# Altium PCB FMC_HPC_TO_LPC_BREAKOUT.PcbDoc (part 2 of 3)
Units mm, origin at the board's own origin, x right, y up, seen from the top; angles counter-clockwise.
Board outline 78.8 x 69 mm, 6 copper layers (Component Side L1, Layer 2, Layer 3, Layer 4, Layer 5, Bottom Layer L6), stack 1.527 mm thick; 19 components, 400 nets, 980 pads, 723 vias.
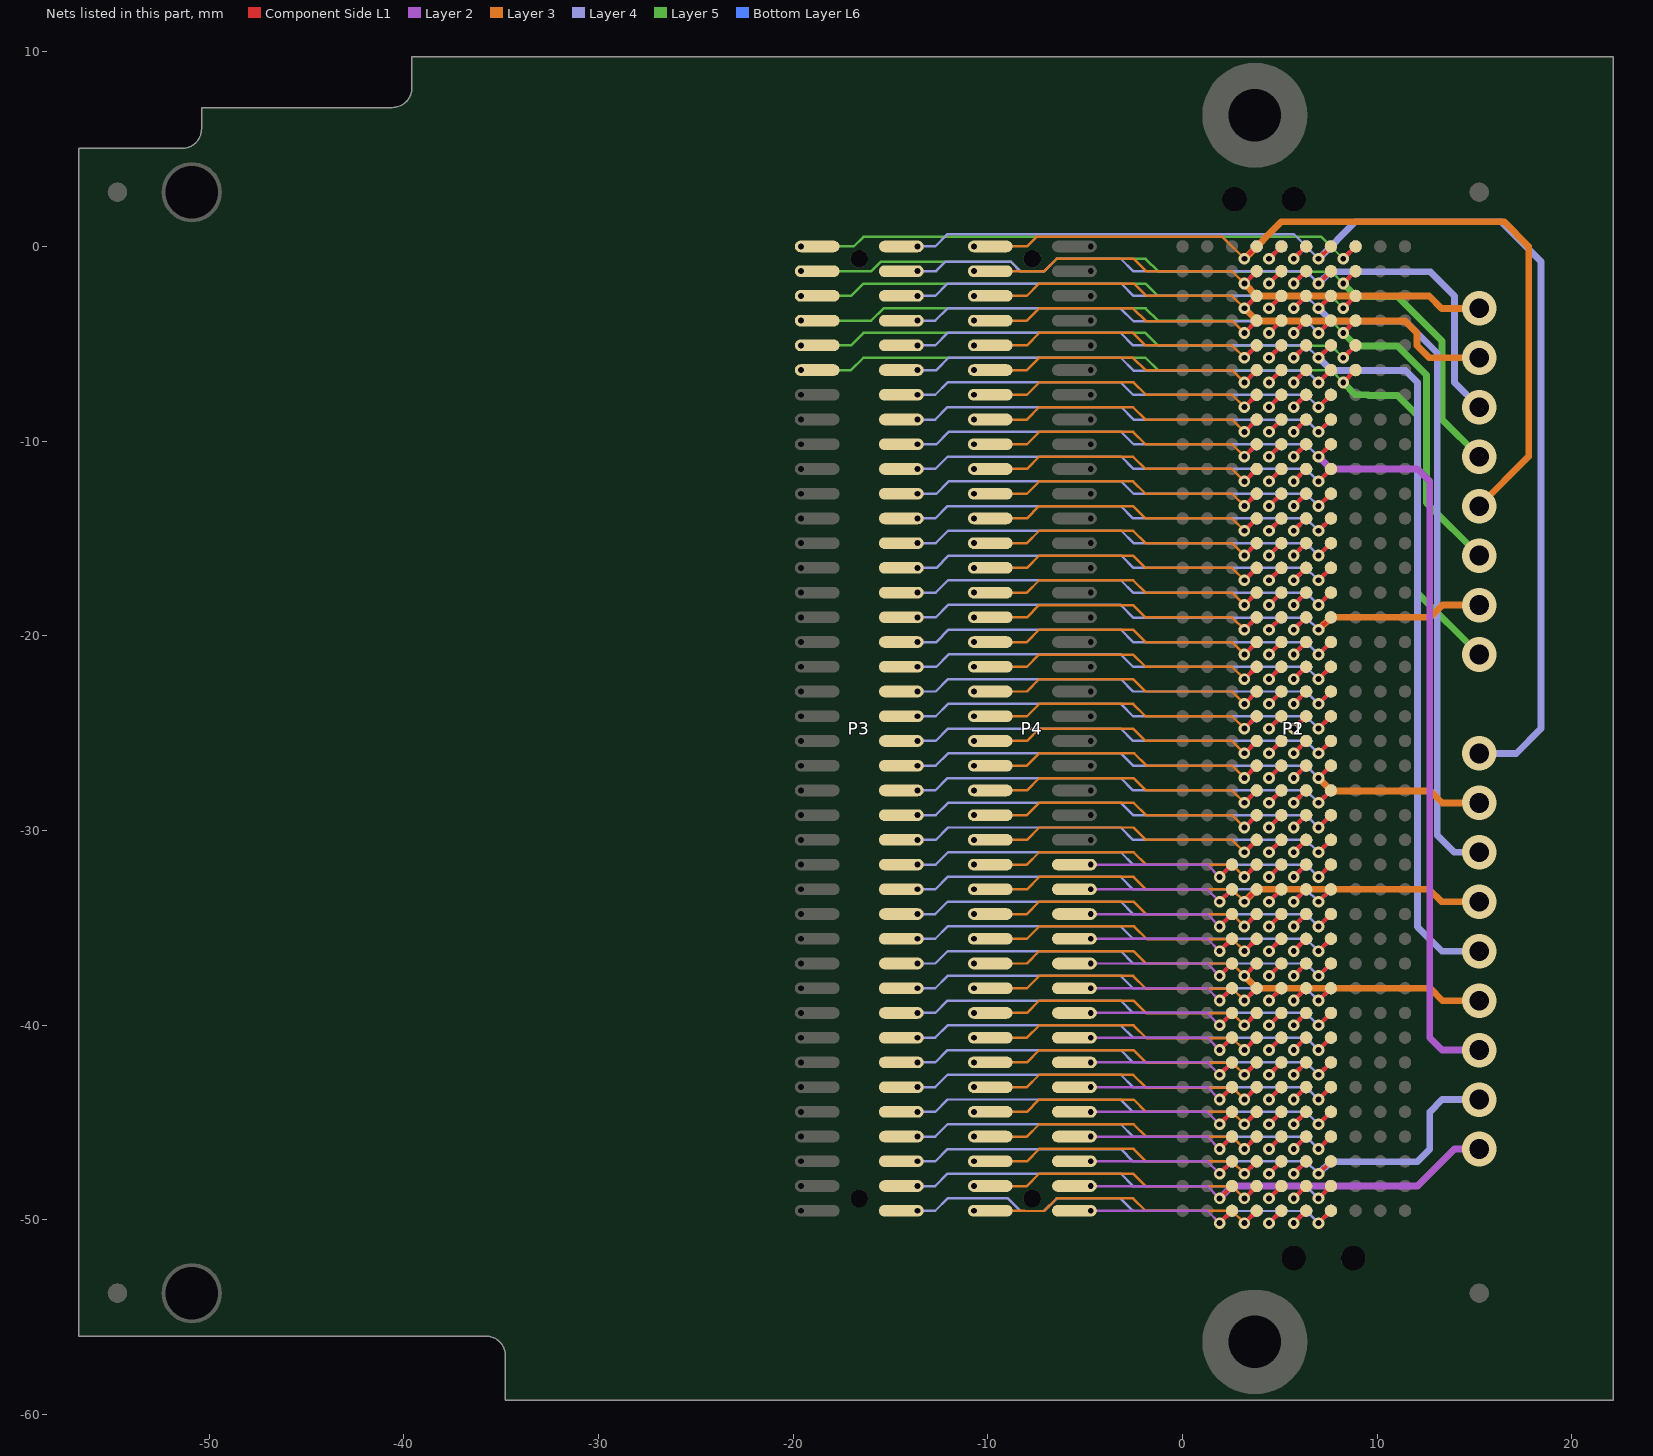
[diagram p6: the nets of this part, all layers, seen from the top]

## Via types
v1: diameter 0.6, hole 0.3, Component Side L1 to Bottom Layer L6, tented both sides, 400 vias
v2: diameter 1.778, hole 1.016, Component Side L1 to Bottom Layer L6, 323 vias

## Nets (pads, with @x,y where several pads share a name; then routed paths per layer and width w, separated by ;. In a path a pad name is that pad's centre, name@x,y a point inside that pad or via, vN(x,y) a via of type N, cw(c..) or ccw(c..) an arc to the next point about the centre after c; other vN are vias at no path point) (continued)
C35: P1.C35 P2.C35 P3.69 | length 48.6
  Component Side L1 w0.215: v1(8.255,-6.985) P1.C35@8.89,-6.35
  Layer 5 w0.127: P3.69@-19.605,-6.35 -17.03,-6.35 -16.395,-5.715 -1.905,-5.715 -1.27,-6.35 7.62,-6.35 v1(8.255,-6.985)
  Layer 5 w0.35: v1(8.255,-6.985) 8.89,-7.62 9.525,-7.62 9.558,-7.653 11.044,-7.653 12.052,-8.66 12.052,-17.772 v2(15.24,-20.96)
  Bottom Layer L6 w0.215: v1(8.255,-6.985) P2.C35@8.89,-6.35
C36: P1.C36 P2.C36 P3.71 | length 30.4
  Component Side L1 w0.215: v1(8.255,-5.715) P1.C36@8.89,-5.08
  Layer 5 w0.127: P3.71@-19.605,-5.08 -17.03,-5.08 -16.395,-4.445 -1.905,-4.445 -1.243,-5.107 7.647,-5.107 v1(8.255,-5.715)
  Bottom Layer L6 w0.215: v1(8.255,-5.715) P2.C36@8.89,-5.08
C37: P1.C37 P2.C37 P3.73 | length 46
  Component Side L1 w0.215: v1(8.255,-4.445) P1.C37@8.89,-3.81
  Layer 5 w0.127: P3.73@-19.605,-3.81 -15.987,-3.81 -15.357,-3.18 -1.9,-3.18 -1.27,-3.81 7.62,-3.81 v1(8.255,-4.445)
  Layer 5 w0.35: v1(8.255,-4.445) 8.923,-5.113 11.044,-5.113 12.529,-6.597 12.529,-13.169 v2(15.24,-15.88)
  Bottom Layer L6 w0.215: v1(8.255,-4.445) P2.C37@8.89,-3.81
C38: P1.C38 P2.C38 P3.75 | length 30.4
  Component Side L1 w0.215: v1(8.255,-3.175) P1.C38@8.89,-2.54
  Layer 5 w0.127: P3.75@-19.605,-2.54 -17.03,-2.54 -16.395,-1.905 -1.905,-1.905 -1.27,-2.54 7.62,-2.54 v1(8.255,-3.175)
  Bottom Layer L6 w0.215: v1(8.255,-3.175) P2.C38@8.89,-2.54
C39: P1.C39 P2.C39 P3.77 | length 43.9
  Component Side L1 w0.215: v1(8.255,-1.905) P1.C39@8.89,-1.27
  Layer 5 w0.127: P3.77@-19.605,-1.27 -16.886,-1.27 -16.873,-1.283 -16,-1.283 -15.496,-0.779 -8.824,-0.779 -8.32,-1.283 -7.11,-1.283 -6.467,-0.64 -1.9,-0.64 -1.243,-1.297 7.647,-1.297 v1(8.255,-1.905)
  Layer 5 w0.35: v1(8.255,-1.905) 8.923,-2.573 11.044,-2.573 13.335,-4.864 13.335,-8.895 v2(15.24,-10.8)
  Bottom Layer L6 w0.215: v1(8.255,-1.905) P2.C39@8.89,-1.27
C40: P1.C40 P2.C40 P3.79 | length 30.3
  Component Side L1 w0.215: v1(8.255,-0.635) P1.C40@8.89,0
  Layer 5 w0.127: P3.79@-19.605,0 -16.886,0 -16.395,0.491 7.129,0.491 v1(8.255,-0.635)
  Bottom Layer L6 w0.215: v1(8.255,-0.635) P2.C40@8.89,0
D1: P1.D1 P2.D1 P3.2 | length 23.7
  Component Side L1 w0.215: v1(6.985,-50.165) P1.D1@7.62,-49.53
  Layer 4 w0.127: P3.2@-13.605,-49.53 -12.7,-49.53 -12.065,-48.895 -8.968,-48.895 -8.32,-49.543 -7.11,-49.543 -6.462,-48.895 -3.188,-48.895 -2.54,-49.543 6.363,-49.543 v1(6.985,-50.165)
  Bottom Layer L6 w0.215: v1(6.985,-50.165) P2.D1@7.62,-49.53
D2: P1.D2 P2.D2 P3.4 | length 23.2
  Component Side L1 w0.215: v1(6.985,-48.895) P1.D2@7.62,-48.26
  Layer 4 w0.127: P3.4@-13.605,-48.26 -12.7,-48.26 -12.065,-47.625 -3.175,-47.625 -2.54,-48.26 6.35,-48.26 v1(6.985,-48.895)
  Bottom Layer L6 w0.215: v1(6.985,-48.895) P2.D2@7.62,-48.26
D3: P1.D3 P2.D3 P3.6 | length 34.1
  Component Side L1 w0.215: v1(6.985,-47.625) P1.D3@7.62,-46.99
  Layer 4 w0.127: P3.6@-13.605,-46.99 -12.7,-46.99 -12.07,-46.36 -3.17,-46.36 -2.54,-46.99 6.35,-46.99 v1(6.985,-47.625)
  Layer 4 w0.35: v1(6.985,-47.625) 7.593,-47.017 12.038,-47.017 12.7,-46.355 12.7,-44.455 13.335,-43.82 v2(15.24,-43.82)
  Bottom Layer L6 w0.215: v1(6.985,-47.625) P2.D3@7.62,-46.99
D4: P1.D4 P2.D4 P3.8 | length 23.2
  Component Side L1 w0.215: v1(6.985,-46.355) P1.D4@7.62,-45.72
  Layer 4 w0.127: P3.8@-13.605,-45.72 -12.7,-45.72 -12.065,-45.085 -3.175,-45.085 -2.54,-45.72 6.35,-45.72 v1(6.985,-46.355)
  Bottom Layer L6 w0.215: v1(6.985,-46.355) P2.D4@7.62,-45.72
D5: P1.D5 P2.D5 P3.10 | length 23.2
  Component Side L1 w0.215: v1(6.985,-45.085) P1.D5@7.62,-44.45
  Layer 4 w0.127: P3.10@-13.605,-44.45 -12.7,-44.45 -12.065,-43.815 -3.18,-43.815 -2.54,-44.455 6.355,-44.455 v1(6.985,-45.085)
  Bottom Layer L6 w0.215: v1(6.985,-45.085) P2.D5@7.62,-44.45
D6: P1.D6 P2.D6 P3.12 | length 23.2
  Component Side L1 w0.215: v1(6.985,-43.815) P1.D6@7.62,-43.18
  Layer 4 w0.127: P3.12@-13.605,-43.18 -12.7,-43.18 -12.065,-42.545 -3.175,-42.545 -2.54,-43.18 6.35,-43.18 v1(6.985,-43.815)
  Bottom Layer L6 w0.215: v1(6.985,-43.815) P2.D6@7.62,-43.18
D7: P1.D7 P2.D7 P3.14 | length 23.2
  Component Side L1 w0.215: v1(6.985,-42.545) P1.D7@7.62,-41.91
  Layer 4 w0.127: P3.14@-13.605,-41.91 -12.7,-41.91 -12.065,-41.275 -3.175,-41.275 -2.54,-41.91 6.35,-41.91 v1(6.985,-42.545)
  Bottom Layer L6 w0.215: v1(6.985,-42.545) P2.D7@7.62,-41.91
D8: P1.D8 P2.D8 P3.16 | length 23.2
  Component Side L1 w0.215: v1(6.985,-41.275) P1.D8@7.62,-40.64
  Layer 4 w0.127: P3.16@-13.605,-40.64 -12.7,-40.64 -12.065,-40.005 -3.175,-40.005 -2.54,-40.64 6.35,-40.64 v1(6.985,-41.275)
  Bottom Layer L6 w0.215: v1(6.985,-41.275) P2.D8@7.62,-40.64
D9: P1.D9 P2.D9 P3.18 | length 23.2
  Component Side L1 w0.215: v1(6.985,-40.005) P1.D9@7.62,-39.37
  Layer 4 w0.127: P3.18@-13.605,-39.37 -12.7,-39.37 -12.065,-38.735 -3.175,-38.735 -2.54,-39.37 6.35,-39.37 v1(6.985,-40.005)
  Bottom Layer L6 w0.215: v1(6.985,-40.005) P2.D9@7.62,-39.37
D10: P1.D10 P2.D10 P3.20 | length 23.2
  Component Side L1 w0.215: v1(6.985,-38.735) P1.D10@7.62,-38.1
  Layer 4 w0.127: P3.20@-13.605,-38.1 -12.7,-38.1 -12.065,-37.465 -3.175,-37.465 -2.54,-38.1 6.35,-38.1 v1(6.985,-38.735)
  Bottom Layer L6 w0.215: v1(6.985,-38.735) P2.D10@7.62,-38.1
D11: P1.D11 P2.D11 P3.22 | length 23.2
  Component Side L1 w0.215: v1(6.985,-37.465) P1.D11@7.62,-36.83
  Layer 4 w0.127: P3.22@-13.605,-36.83 -12.7,-36.83 -12.07,-36.2 -3.17,-36.2 -2.54,-36.83 6.35,-36.83 v1(6.985,-37.465)
  Bottom Layer L6 w0.215: v1(6.985,-37.465) P2.D11@7.62,-36.83
D12: P1.D12 P2.D12 P3.24 | length 23.2
  Component Side L1 w0.215: v1(6.985,-36.195) P1.D12@7.62,-35.56
  Layer 4 w0.127: P3.24@-13.605,-35.56 -12.7,-35.56 -12.065,-34.925 -3.175,-34.925 -2.54,-35.56 6.35,-35.56 v1(6.985,-36.195)
  Bottom Layer L6 w0.215: v1(6.985,-36.195) P2.D12@7.62,-35.56
D13: P1.D13 P2.D13 P3.26 | length 23.2
  Component Side L1 w0.215: v1(6.985,-34.925) P1.D13@7.62,-34.29
  Layer 4 w0.127: P3.26@-13.605,-34.29 -12.7,-34.29 -12.07,-33.66 -3.17,-33.66 -2.54,-34.29 6.35,-34.29 v1(6.985,-34.925)
  Bottom Layer L6 w0.215: v1(6.985,-34.925) P2.D13@7.62,-34.29
D14: P1.D14 P2.D14 P3.28 | length 23.2
  Component Side L1 w0.215: v1(6.985,-33.655) P1.D14@7.62,-33.02
  Layer 4 w0.127: P3.28@-13.605,-33.02 -12.7,-33.02 -12.065,-32.385 -3.175,-32.385 -2.54,-33.02 6.35,-33.02 v1(6.985,-33.655)
  Bottom Layer L6 w0.215: v1(6.985,-33.655) P2.D14@7.62,-33.02
D15: P1.D15 P2.D15 P3.30 | length 23.2
  Component Side L1 w0.215: v1(6.985,-32.385) P1.D15@7.62,-31.75
  Layer 4 w0.127: P3.30@-13.605,-31.75 -12.673,-31.75 -12.038,-31.115 -3.175,-31.115 -2.54,-31.75 6.35,-31.75 v1(6.985,-32.385)
  Bottom Layer L6 w0.215: v1(6.985,-32.385) P2.D15@7.62,-31.75
D16: P1.D16 P2.D16 P3.32 | length 23.2
  Component Side L1 w0.215: v1(6.985,-31.115) P1.D16@7.62,-30.48
  Layer 4 w0.127: P3.32@-13.605,-30.48 -12.673,-30.48 -12.038,-29.845 -3.175,-29.845 -2.54,-30.48 6.35,-30.48 v1(6.985,-31.115)
  Bottom Layer L6 w0.215: v1(6.985,-31.115) P2.D16@7.62,-30.48
D17: P1.D17 P2.D17 P3.34 | length 23.2
  Component Side L1 w0.215: v1(6.985,-29.845) P1.D17@7.62,-29.21
  Layer 4 w0.127: P3.34@-13.605,-29.21 -12.673,-29.21 -12.043,-28.58 -3.17,-28.58 -2.54,-29.21 6.35,-29.21 v1(6.985,-29.845)
  Bottom Layer L6 w0.215: v1(6.985,-29.845) P2.D17@7.62,-29.21
D18: P1.D18 P2.D18 P3.36 | length 23.2
  Component Side L1 w0.215: v1(6.985,-28.575) P1.D18@7.62,-27.94
  Layer 4 w0.127: P3.36@-13.605,-27.94 -12.7,-27.94 -12.065,-27.305 -3.175,-27.305 -2.54,-27.94 6.35,-27.94 v1(6.985,-28.575)
  Bottom Layer L6 w0.215: v1(6.985,-28.575) P2.D18@7.62,-27.94
D19: P1.D19 P2.D19 P3.38 | length 32
  Component Side L1 w0.215: v1(6.985,-27.305) P1.D19@7.62,-26.67
  Layer 3 w0.35: v1(6.985,-27.305) 7.647,-27.967 12.727,-27.967 13.34,-28.58 v2(15.24,-28.58)
  Layer 4 w0.127: P3.38@-13.605,-26.67 -12.673,-26.67 -12.043,-26.04 -3.17,-26.04 -2.54,-26.67 6.35,-26.67 v1(6.985,-27.305)
  Bottom Layer L6 w0.215: v1(6.985,-27.305) P2.D19@7.62,-26.67
D20: P1.D20 P2.D20 P3.40 | length 23.2
  Component Side L1 w0.215: v1(6.985,-26.035) P1.D20@7.62,-25.4
  Layer 4 w0.127: P3.40@-13.605,-25.4 -12.673,-25.4 -12.038,-24.765 -3.175,-24.765 -2.54,-25.4 6.35,-25.4 v1(6.985,-26.035)
  Bottom Layer L6 w0.215: v1(6.985,-26.035) P2.D20@7.62,-25.4
D21: P1.D21 P2.D21 P3.42 | length 23.2
  Component Side L1 w0.215: v1(6.985,-24.765) P1.D21@7.62,-24.13
  Layer 4 w0.127: P3.42@-13.605,-24.13 -12.673,-24.13 -12.043,-23.5 -3.17,-23.5 -2.54,-24.13 6.35,-24.13 v1(6.985,-24.765)
  Bottom Layer L6 w0.215: v1(6.985,-24.765) P2.D21@7.62,-24.13
D22: P1.D22 P2.D22 P3.44 | length 23.2
  Component Side L1 w0.215: v1(6.985,-23.495) P1.D22@7.62,-22.86
  Layer 4 w0.127: P3.44@-13.605,-22.86 -12.673,-22.86 -12.038,-22.225 -3.175,-22.225 -2.54,-22.86 6.35,-22.86 v1(6.985,-23.495)
  Bottom Layer L6 w0.215: v1(6.985,-23.495) P2.D22@7.62,-22.86
D23: P1.D23 P2.D23 P3.46 | length 23.2
  Component Side L1 w0.215: v1(6.985,-22.225) P1.D23@7.62,-21.59
  Layer 4 w0.127: P3.46@-13.605,-21.59 -12.646,-21.59 -12.011,-20.955 -3.175,-20.955 -2.54,-21.59 6.35,-21.59 v1(6.985,-22.225)
  Bottom Layer L6 w0.215: v1(6.985,-22.225) P2.D23@7.62,-21.59
D24: P1.D24 P2.D24 P3.48 | length 23.2
  Component Side L1 w0.215: v1(6.985,-20.955) P1.D24@7.62,-20.32
  Layer 4 w0.127: P3.48@-13.605,-20.32 -12.646,-20.32 -12.011,-19.685 -3.175,-19.685 -2.54,-20.32 6.35,-20.32 v1(6.985,-20.955)
  Bottom Layer L6 w0.215: v1(6.985,-20.955) P2.D24@7.62,-20.32
D25: P1.D25 P2.D25 P3.50 | length 32
  Component Side L1 w0.215: v1(6.985,-19.685) P1.D25@7.62,-19.05
  Layer 3 w0.35: v1(6.985,-19.685) 7.62,-19.05 12.723,-19.05 13.353,-18.42 v2(15.24,-18.42)
  Layer 4 w0.127: P3.50@-13.605,-19.05 -12.673,-19.05 -12.038,-18.415 -3.175,-18.415 -2.513,-19.077 6.377,-19.077 v1(6.985,-19.685)
  Bottom Layer L6 w0.215: v1(6.985,-19.685) P2.D25@7.62,-19.05
D26: P1.D26 P2.D26 P3.52 | length 23.2
  Component Side L1 w0.215: v1(6.985,-18.415) P1.D26@7.62,-17.78
  Layer 4 w0.127: P3.52@-13.605,-17.78 -12.673,-17.78 -12.038,-17.145 -3.175,-17.145 -2.54,-17.78 6.35,-17.78 v1(6.985,-18.415)
  Bottom Layer L6 w0.215: v1(6.985,-18.415) P2.D26@7.62,-17.78
D27: P1.D27 P2.D27 P3.54 | length 23.2
  Component Side L1 w0.215: v1(6.985,-17.145) P1.D27@7.62,-16.51
  Layer 4 w0.127: P3.54@-13.605,-16.51 -12.646,-16.51 -12.011,-15.875 -3.148,-15.875 -2.513,-16.51 6.35,-16.51 v1(6.985,-17.145)
  Bottom Layer L6 w0.215: v1(6.985,-17.145) P2.D27@7.62,-16.51
D28: P1.D28 P2.D28 P3.56 | length 23.2
  Component Side L1 w0.215: v1(6.985,-15.875) P1.D28@7.62,-15.24
  Layer 4 w0.127: P3.56@-13.605,-15.24 -12.673,-15.24 -12.038,-14.605 -3.148,-14.605 -2.513,-15.24 6.35,-15.24 v1(6.985,-15.875)
  Bottom Layer L6 w0.215: v1(6.985,-15.875) P2.D28@7.62,-15.24
D29: P1.D29 P2.D29 P3.58 | length 23.2
  Component Side L1 w0.215: v1(6.985,-14.605) P1.D29@7.62,-13.97
  Layer 4 w0.127: P3.58@-13.605,-13.97 -12.7,-13.97 -12.065,-13.335 -3.175,-13.335 -2.54,-13.97 6.35,-13.97 v1(6.985,-14.605)
  Bottom Layer L6 w0.215: v1(6.985,-14.605) P2.D29@7.62,-13.97
D30: P1.D30 P2.D30 P3.60 | length 23.2
  Component Side L1 w0.215: v1(6.985,-13.335) P1.D30@7.62,-12.7
  Layer 4 w0.127: P3.60@-13.605,-12.7 -12.646,-12.7 -12.011,-12.065 -3.148,-12.065 -2.513,-12.7 6.35,-12.7 v1(6.985,-13.335)
  Bottom Layer L6 w0.215: v1(6.985,-13.335) P2.D30@7.62,-12.7
D31: P1.D31 P2.D31 P3.62 | length 23.2
  Component Side L1 w0.215: v1(6.985,-12.065) P1.D31@7.62,-11.43
  Layer 4 w0.127: P3.62@-13.605,-11.43 -12.7,-11.43 -12.07,-10.8 -3.143,-10.8 -2.513,-11.43 6.35,-11.43 v1(6.985,-12.065)
  Bottom Layer L6 w0.215: v1(6.985,-12.065) P2.D31@7.62,-11.43
D32: P1.D32 P2.D32 P3.64 | length 60.8
  Component Side L1 w0.215: v1(6.985,-10.795) P1.D32@7.62,-10.16
  Layer 2 w0.35: v1(6.985,-10.795) 7.62,-11.43 12.065,-11.43 12.7,-12.065 12.7,-40.645 13.335,-41.28 v2(15.24,-41.28)
  Layer 4 w0.127: P3.64@-13.605,-10.16 -12.646,-10.16 -12.011,-9.525 -3.148,-9.525 -2.513,-10.16 6.35,-10.16 v1(6.985,-10.795)
  Bottom Layer L6 w0.215: v1(6.985,-10.795) P2.D32@7.62,-10.16
D33: P1.D33 P2.D33 P3.66 | length 23.2
  Component Side L1 w0.215: v1(6.985,-9.525) P1.D33@7.62,-8.89
  Layer 4 w0.127: P3.66@-13.605,-8.89 -12.7,-8.89 -12.065,-8.255 -3.148,-8.255 -2.513,-8.89 6.35,-8.89 v1(6.985,-9.525)
  Bottom Layer L6 w0.215: v1(6.985,-9.525) P2.D33@7.62,-8.89
D34: P1.D34 P2.D34 P3.68 | length 23.2
  Component Side L1 w0.215: v1(6.985,-8.255) P1.D34@7.62,-7.62
  Layer 4 w0.127: P3.68@-13.605,-7.62 -12.7,-7.62 -12.065,-6.985 -3.175,-6.985 -2.54,-7.62 6.35,-7.62 v1(6.985,-8.255)
  Bottom Layer L6 w0.215: v1(6.985,-8.255) P2.D34@7.62,-7.62
D35: P1.D35 P2.D35 P3.70 | length 23.2
  Component Side L1 w0.215: v1(6.985,-6.985) P1.D35@7.62,-6.35
  Layer 4 w0.127: P3.70@-13.605,-6.35 -12.646,-6.35 -12.011,-5.715 -3.175,-5.715 -2.513,-6.377 6.377,-6.377 v1(6.985,-6.985)
  Bottom Layer L6 w0.215: v1(6.985,-6.985) P2.D35@7.62,-6.35
D36: P1.D36 P2.D36 P3.72 | length 60.4
  Component Side L1 w0.215: v1(6.985,-5.715) P1.D36@7.62,-5.08
  Layer 4 w0.127: P3.72@-13.605,-5.08 -12.7,-5.08 -12.065,-4.445 -3.175,-4.445 -2.54,-5.08 6.35,-5.08 v1(6.985,-5.715)
  Layer 4 w0.35: v1(6.985,-5.715) 7.647,-6.377 11.457,-6.377 12.065,-6.985 12.065,-34.944 13.321,-36.2 v2(15.24,-36.2)
  Bottom Layer L6 w0.215: v1(6.985,-5.715) P2.D36@7.62,-5.08
D37: P1.D37 P2.D37 P3.74 | length 23.2
  Component Side L1 w0.215: v1(6.985,-4.445) P1.D37@7.62,-3.81
  Layer 4 w0.127: P3.74@-13.605,-3.81 -12.7,-3.81 -12.07,-3.18 -3.176,-3.18 -2.513,-3.843 6.383,-3.843 v1(6.985,-4.445)
  Bottom Layer L6 w0.215: v1(6.985,-4.445) P2.D37@7.62,-3.81
D38: P1.D38 P2.D38 P3.76 | length 57.5
  Component Side L1 w0.215: v1(6.985,-3.175) P1.D38@7.62,-2.54
  Layer 4 w0.127: P3.76@-13.605,-2.54 -12.7,-2.54 -12.065,-1.905 -3.148,-1.905 -2.513,-2.54 6.35,-2.54 v1(6.985,-3.175)
  Layer 4 w0.35: v1(6.985,-3.175) 7.653,-3.843 11.463,-3.843 13.081,-5.461 13.081,-30.231 13.97,-31.12 v2(15.24,-31.12)
  Bottom Layer L6 w0.215: v1(6.985,-3.175) P2.D38@7.62,-2.54
D39: P1.D39 P2.D39 P3.78 | length 37.6
  Component Side L1 w0.215: v1(6.985,-1.905) P1.D39@7.62,-1.27
  Layer 4 w0.127: P3.78@-13.605,-1.27 -12.66,-1.27 -12.17,-0.779 -8.824,-0.779 -8.32,-1.283 -7.11,-1.283 -6.462,-0.635 -3.175,-0.635 -2.54,-1.27 6.35,-1.27 v1(6.985,-1.905)
  Layer 4 w0.35: v1(6.985,-1.905) 7.587,-1.303 12.733,-1.303 13.97,-2.54 13.97,-6.99 v2(15.24,-8.26)
  Bottom Layer L6 w0.215: v1(6.985,-1.905) P2.D39@7.62,-1.27
D40: P1.D40 P2.D40 P3.80 | length 63.9
  Component Side L1 w0.215: v1(6.985,-0.635) P1.D40@7.62,0
  Layer 4 w0.127: P3.80@-13.605,0 -12.7,0 -12.065,0.635 5.715,0.635 v1(6.985,-0.635)
  Layer 4 w0.35: v1(6.985,-0.635) 8.89,1.27 16.366,1.27 18.415,-0.779 18.415,-24.765 17.14,-26.04 v2(15.24,-26.04)
  Bottom Layer L6 w0.215: v1(6.985,-0.635) P2.D40@7.62,0
E1: P1.E1 P2.E1 | length 1.8
  Component Side L1 w0.215: v1(5.715,-50.165) P1.E1@6.35,-49.53
  Bottom Layer L6 w0.215: v1(5.715,-50.165) P2.E1@6.35,-49.53
E2: P1.E2 P2.E2 | length 1.8
  Component Side L1 w0.215: v1(5.715,-48.895) P1.E2@6.35,-48.26
  Bottom Layer L6 w0.215: v1(5.715,-48.895) P2.E2@6.35,-48.26
E3: P1.E3 P2.E3 | length 1.8
  Component Side L1 w0.215: v1(5.715,-47.625) P1.E3@6.35,-46.99
  Bottom Layer L6 w0.215: v1(5.715,-47.625) P2.E3@6.35,-46.99
E4: P1.E4 P2.E4 | length 1.8
  Component Side L1 w0.215: v1(5.715,-46.355) P1.E4@6.35,-45.72
  Bottom Layer L6 w0.215: v1(5.715,-46.355) P2.E4@6.35,-45.72
E5: P1.E5 P2.E5 | length 1.8
  Component Side L1 w0.215: v1(5.715,-45.085) P1.E5@6.35,-44.45
  Bottom Layer L6 w0.215: v1(5.715,-45.085) P2.E5@6.35,-44.45
E6: P1.E6 P2.E6 | length 1.8
  Component Side L1 w0.215: v1(5.715,-43.815) P1.E6@6.35,-43.18
  Bottom Layer L6 w0.215: v1(5.715,-43.815) P2.E6@6.35,-43.18
E7: P1.E7 P2.E7 | length 1.8
  Component Side L1 w0.215: v1(5.715,-42.545) P1.E7@6.35,-41.91
  Bottom Layer L6 w0.215: v1(5.715,-42.545) P2.E7@6.35,-41.91
E8: P1.E8 P2.E8 | length 1.8
  Component Side L1 w0.215: v1(5.715,-41.275) P1.E8@6.35,-40.64
  Bottom Layer L6 w0.215: v1(5.715,-41.275) P2.E8@6.35,-40.64
E9: P1.E9 P2.E9 | length 1.8
  Component Side L1 w0.215: v1(5.715,-40.005) P1.E9@6.35,-39.37
  Bottom Layer L6 w0.215: v1(5.715,-40.005) P2.E9@6.35,-39.37
E10: P1.E10 P2.E10 | length 1.8
  Component Side L1 w0.215: v1(5.715,-38.735) P1.E10@6.35,-38.1
  Bottom Layer L6 w0.215: v1(5.715,-38.735) P2.E10@6.35,-38.1
E11: P1.E11 P2.E11 | length 1.8
  Component Side L1 w0.215: v1(5.715,-37.465) P1.E11@6.35,-36.83
  Bottom Layer L6 w0.215: v1(5.715,-37.465) P2.E11@6.35,-36.83
E12: P1.E12 P2.E12 | length 1.8
  Component Side L1 w0.215: v1(5.715,-36.195) P1.E12@6.35,-35.56
  Bottom Layer L6 w0.215: v1(5.715,-36.195) P2.E12@6.35,-35.56
E13: P1.E13 P2.E13 | length 1.8
  Component Side L1 w0.215: v1(5.715,-34.925) P1.E13@6.35,-34.29
  Bottom Layer L6 w0.215: v1(5.715,-34.925) P2.E13@6.35,-34.29
E14: P1.E14 P2.E14 | length 1.8
  Component Side L1 w0.215: v1(5.715,-33.655) P1.E14@6.35,-33.02
  Bottom Layer L6 w0.215: v1(5.715,-33.655) P2.E14@6.35,-33.02
E15: P1.E15 P2.E15 | length 1.8
  Component Side L1 w0.215: v1(5.715,-32.385) P1.E15@6.35,-31.75
  Bottom Layer L6 w0.215: v1(5.715,-32.385) P2.E15@6.35,-31.75
E16: P1.E16 P2.E16 | length 1.8
  Component Side L1 w0.215: v1(5.715,-31.115) P1.E16@6.35,-30.48
  Bottom Layer L6 w0.215: v1(5.715,-31.115) P2.E16@6.35,-30.48
E17: P1.E17 P2.E17 | length 1.8
  Component Side L1 w0.215: v1(5.715,-29.845) P1.E17@6.35,-29.21
  Bottom Layer L6 w0.215: v1(5.715,-29.845) P2.E17@6.35,-29.21
E18: P1.E18 P2.E18 | length 1.8
  Component Side L1 w0.215: v1(5.715,-28.575) P1.E18@6.35,-27.94
  Bottom Layer L6 w0.215: v1(5.715,-28.575) P2.E18@6.35,-27.94
E19: P1.E19 P2.E19 | length 1.8
  Component Side L1 w0.215: v1(5.715,-27.305) P1.E19@6.35,-26.67
  Bottom Layer L6 w0.215: v1(5.715,-27.305) P2.E19@6.35,-26.67
E20: P1.E20 P2.E20 | length 1.8
  Component Side L1 w0.215: v1(5.715,-26.035) P1.E20@6.35,-25.4
  Bottom Layer L6 w0.215: v1(5.715,-26.035) P2.E20@6.35,-25.4
E21: P1.E21 P2.E21 | length 1.8
  Component Side L1 w0.215: v1(5.715,-24.765) P1.E21@6.35,-24.13
  Bottom Layer L6 w0.215: v1(5.715,-24.765) P2.E21@6.35,-24.13
E22: P1.E22 P2.E22 | length 1.8
  Component Side L1 w0.215: v1(5.715,-23.495) P1.E22@6.35,-22.86
  Bottom Layer L6 w0.215: v1(5.715,-23.495) P2.E22@6.35,-22.86
E23: P1.E23 P2.E23 | length 1.8
  Component Side L1 w0.215: v1(5.715,-22.225) P1.E23@6.35,-21.59
  Bottom Layer L6 w0.215: v1(5.715,-22.225) P2.E23@6.35,-21.59
E24: P1.E24 P2.E24 | length 1.8
  Component Side L1 w0.215: v1(5.715,-20.955) P1.E24@6.35,-20.32
  Bottom Layer L6 w0.215: v1(5.715,-20.955) P2.E24@6.35,-20.32
E25: P1.E25 P2.E25 | length 1.8
  Component Side L1 w0.215: v1(5.715,-19.685) P1.E25@6.35,-19.05
  Bottom Layer L6 w0.215: v1(5.715,-19.685) P2.E25@6.35,-19.05
E26: P1.E26 P2.E26 | length 1.8
  Component Side L1 w0.215: v1(5.715,-18.415) P1.E26@6.35,-17.78